# Altium PCB Evaluation Board.PcbDoc (part 19 of 22) (continued)
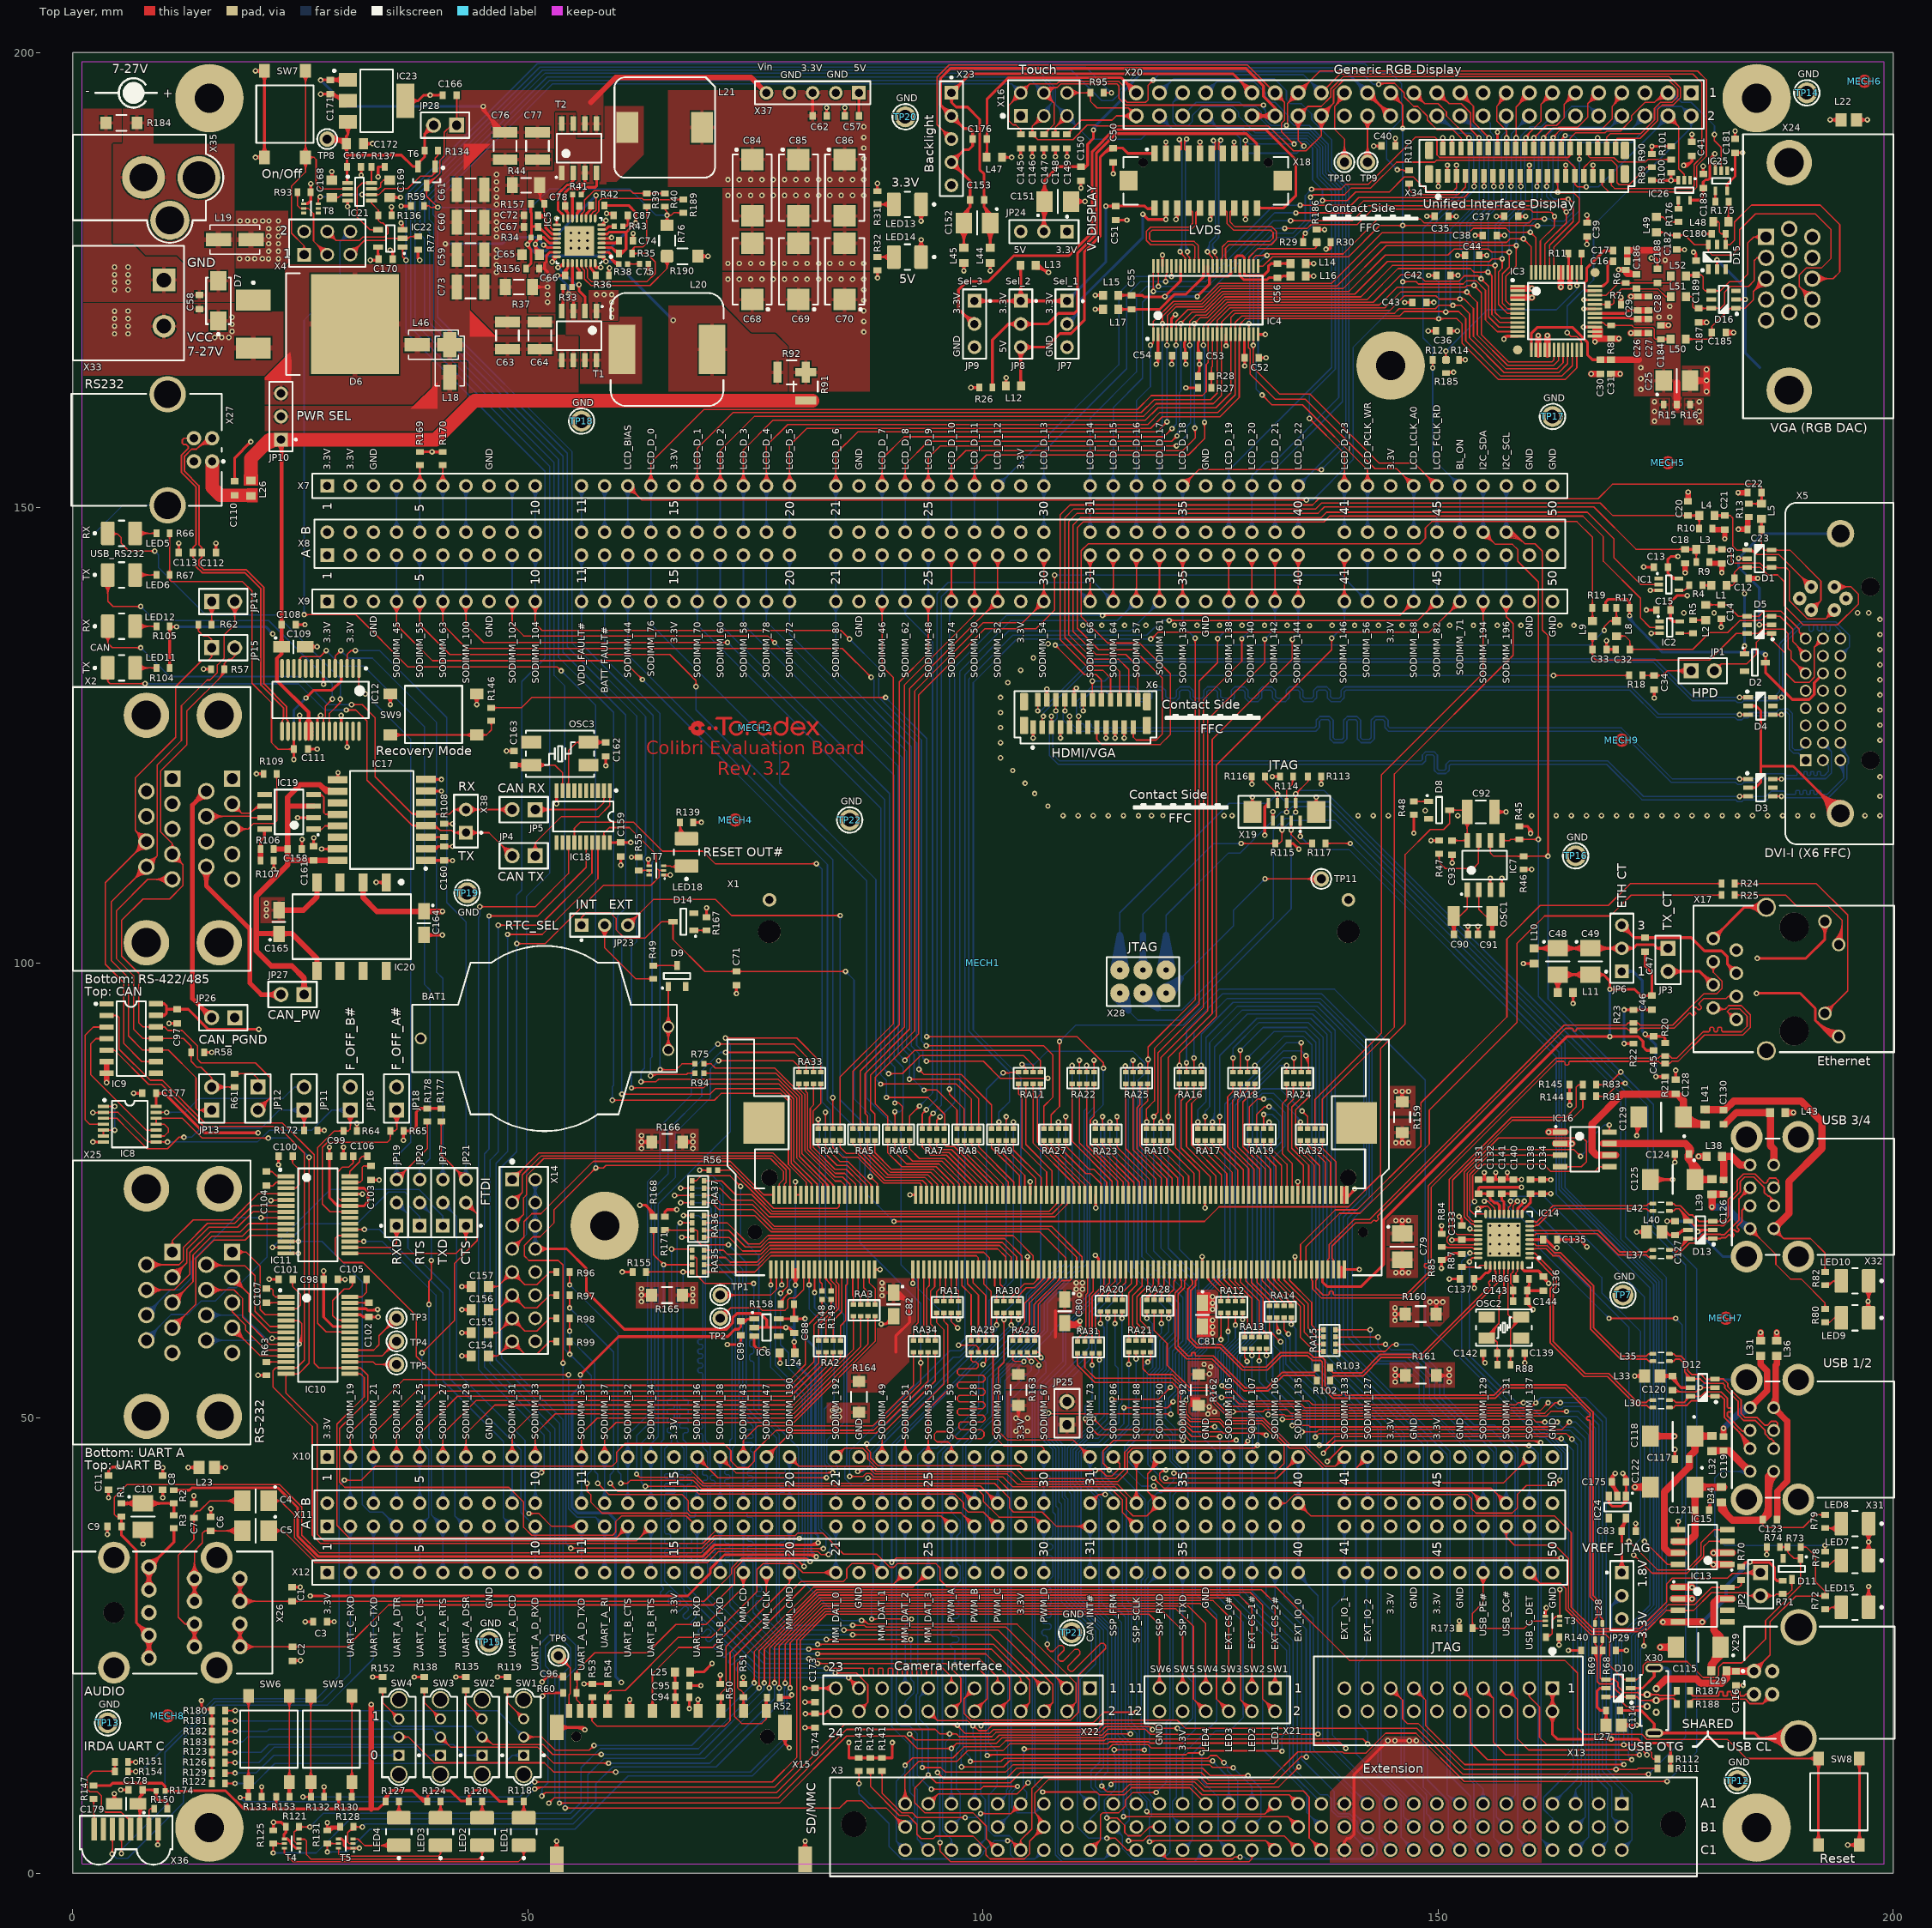
[diagram p0: Top Layer view]
## Nets (pads, with @x,y where several pads share a name; then routed paths per layer and width w, separated by ;. In a path a pad name is that pad's centre, name@x,y a point inside that pad or via, vN(x,y) a via of type N, cw(c..) or ccw(c..) an arc to the next point about the centre after c; other vN are vias at no path point) (continued)
TMDS_CLK_P: D4.1 X5.23 X6.2 | length 111.6
  Top Layer w0.152: v2(106.002,127.681) X6.2@106.002,128.891 ; v1@183.126,129.167 D4.1@184.07,129.167 ; v1@183.283,129.01 cw(c183.663,128.63) D4.1@183.663,129.167 ; v1@183.283,129.326 ccw(c183.668,129.711) D4.1@183.668,129.167
  Bottom Layer w0.152: v2(106.002,127.681) 106.359,127.681 112.083,133.406 173.797,133.406 178.03,129.173 v1@183.125,129.173 ; 182.571,129.173 cw(c182.571,128.614) v1@182.967,129.01 ; 182.598,129.173 ccw(c182.598,129.695) v1@182.967,129.326 ; v1(183.125,129.168) 186.867,129.167 187.503,129.803 187.503,135.054 189.914,137.465 193.677,137.465 195.2,135.942 195.2,134.728 X5.23@194.19,133.718 ; v1@183.283,129.01 cw(c183.663,128.63) 183.663,129.167 ; v1@183.283,129.326 ccw(c183.668,129.711) 183.668,129.167 ; X5.23@194.19,134.139 ccw(c194.19,135.156) 194.909,134.437 ccw(c195.629,133.718) X5.23@194.611,133.718 ; X5.23@194.19,134.291 ccw(c194.19,135.677) 195.17,134.697 ccw(c196.149,133.718) X5.23@194.764,133.718
TMDS_DATA0_N: D3.3 X5.17 X6.6 | length 113.8
  Top Layer w0.152: v2(108.002,127.681) X6.6@108.002,128.891 ; v1@183.126,118.295 D3.3@184.07,118.295 ; v1@183.283,118.137 cw(c183.663,117.758) D3.3@183.663,118.295 ; v1@183.283,118.454 ccw(c183.668,118.838) D3.3@183.668,118.295
  Bottom Layer w0.152: v2(108.002,127.681) 108.137,127.546 108.137,126.873 107.655,126.39 107.655,122.92 108.4,122.175 148.111,122.175 148.266,122.33 148.266,122.833 148.63,123.197 149.556,123.197 149.92,122.833 149.92,121.308 150.075,121.153 150.707,121.153 150.862,121.308 150.862,121.811 151.226,122.175 168.65,122.175 172.552,118.273 182.684,118.273 ; v1@182.935,118.413 cw(c182.684,118.568) 182.684,118.273 ; v1@182.956,118.149 ccw(c182.684,117.913) 182.684,118.273 ; v1@183.294,118.149 cw(c183.566,117.913) 183.566,118.273 ; v1@183.315,118.413 ccw(c183.566,118.568) 183.566,118.273 ; X5.17@193.833,121.808 cw(c192.633,120.296) 194.564,120.296 ; X5.17@193.928,121.927 cw(c192.884,120.611) 194.564,120.611 ; X5.17@194.023,122.047 cw(c193.134,120.927) 194.564,120.927 ; X5.17@194.118,122.166 cw(c193.384,121.242) 194.564,121.242 ; X5.17@194.19,122.258 194.564,121.884 194.564,120.332 192.732,118.5 192.134,118.5 192.056,118.578 192.056,118.868 191.977,118.947 191.742,118.947 191.663,118.868 191.663,118.578 191.585,118.5 191.35,118.5 191.271,118.578 191.271,118.868 191.193,118.947 190.957,118.947 190.879,118.868 190.879,118.578 190.8,118.5 190.565,118.5 190.486,118.578 190.486,118.868 190.408,118.947 190.172,118.947 190.094,118.868 190.094,118.578 190.015,118.5 189.78,118.5 189.701,118.578 189.701,118.868 189.623,118.947 189.388,118.947 189.309,118.868 189.309,118.578 189.231,118.5 188.917,118.5 188.524,118.5 188.328,118.5 187.955,118.873 186.608,118.873 186.008,118.273 183.566,118.273 ; X5.17@194.212,122.286 cw(c193.635,121.557) 194.564,121.557 ; 182.684,118.273 183.566,118.273
  other v1: 183.125,118.296
TMDS_DATA0_P: D3.4 X5.18 X6.5 | length 114.4
  Top Layer w0.152: X6.5@107.502,125.891 v2(107.502,127.102) ; D3.4@186.77,118.295 v1@187.714,118.295 ; D3.4@187.172,118.295 cw(c187.172,117.751) v1@187.557,118.135 ; D3.4@187.177,118.295 ccw(c187.177,118.832) v1@187.557,118.452
  Bottom Layer w0.152: v2(107.502,127.102) 107.502,126.74 107.299,126.538 107.299,122.773 108.253,121.819 148.258,121.819 148.622,122.183 148.622,122.686 148.777,122.842 149.409,122.842 149.564,122.686 149.564,121.161 149.928,120.797 150.854,120.797 151.218,121.161 151.218,121.664 151.373,121.819 168.503,121.819 172.404,117.918 182.684,117.918 182.885,117.716 183.365,117.716 183.566,117.918 186.156,117.918 186.55,118.312 v1@187.715,118.312 ; 187.13,118.312 cw(c187.13,117.709) v1@187.557,118.135 ; 187.219,118.312 ccw(c187.219,118.79) v1@187.557,118.452 ; v1@187.883,118.144 v1@187.715,118.312 ; v1@187.912,118.399 ccw(c188.058,118.477) 188.058,118.312 ; v1@187.926,118.219 cw(c188.058,118.172) 188.058,118.312 ; X5.18@194.011,124.225 ccw(c194.69,124.006) 194.185,123.501 ; X5.18@194.101,123.601 cw(c194.085,123.497) 194.19,123.497 ; X5.18@194.156,124.179 ccw(c194.956,123.92) 194.362,123.325 ; X5.18@194.19,124.168 194.19,123.497 ; X5.18@194.279,123.601 ccw(c194.295,123.497) 194.19,123.497 ; X5.18@194.301,124.132 ccw(c195.223,123.834) 194.538,123.149 ; X5.18@194.446,124.085 ccw(c195.489,123.748) 194.714,122.973 ; X5.18@194.591,124.038 ccw(c195.755,123.662) 194.89,122.797 ; X5.18@194.736,123.991 ccw(c196.021,123.576) 195.066,122.621 ; v1@187.715,118.312 188.058,118.312 ; 188.058,118.312 188.225,118.144 192.88,118.144 194.92,120.184 194.92,121.748 195.066,121.895 195.066,122.62 ; 194.19,123.497 195.066,122.62
  other v1: 187.715,118.294
TMDS_DATA1_N: D3.1 X5.9 X6.9 | length 107.5
  Top Layer w0.152: X6.9@109.502,125.891 v2(109.502,127.102) ; v1@183.126,120.195 D3.1@184.07,120.195 ; v1@183.283,120.037 cw(c183.663,119.658) D3.1@183.663,120.195 ; v1@183.283,120.354 ccw(c183.668,120.738) D3.1@183.668,120.195
  Bottom Layer w0.152: v2(109.502,127.102) 109.502,126.494 110.19,125.806 110.616,125.806 110.717,125.907 110.717,126.17 110.817,126.27 111.018,126.27 111.119,126.17 111.119,125.907 111.22,125.806 111.421,125.806 111.521,125.907 111.521,126.17 111.622,126.27 111.823,126.27 111.924,126.17 111.924,125.907 112.024,125.806 136.406,125.806 136.603,126.004 136.603,126.66 137.009,127.066 138.061,127.066 138.467,126.66 138.467,124.744 138.664,124.546 139.422,124.546 139.619,124.744 139.619,126.66 140.025,127.066 141.077,127.066 141.483,126.66 141.483,124.744 141.68,124.546 142.438,124.546 142.635,124.744 142.635,126.66 143.049,127.074 144.086,127.074 144.499,126.66 144.499,126.004 144.696,125.806 170.144,125.806 175.752,120.198 182.659,120.198 ; v1@182.949,120.057 ccw(c182.659,119.828) 182.659,120.198 ; v1@182.952,120.337 cw(c182.659,120.577) 182.659,120.198 ; v1@183.298,120.337 ccw(c183.591,120.577) 183.591,120.198 ; v1@183.301,120.057 cw(c183.591,119.828) 183.591,120.198 ; X5.9@192.28,122.258 192.862,121.675 192.862,121.006 192.449,120.593 192.11,120.593 192.036,120.667 192.036,120.941 191.961,121.016 191.738,121.016 191.664,120.941 191.664,120.667 191.589,120.593 191.366,120.593 191.291,120.667 191.291,120.941 191.217,121.016 190.993,121.016 190.919,120.941 190.919,120.667 190.844,120.593 190.621,120.593 190.546,120.667 190.546,120.941 190.472,121.016 190.248,121.016 190.174,120.941 190.174,120.667 190.099,120.593 189.876,120.593 189.802,120.667 189.802,120.941 189.727,121.016 189.504,121.016 189.429,120.941 189.429,120.667 189.355,120.593 189.243,120.593 188.135,120.593 187.955,120.773 185.775,120.773 185.2,120.198 183.591,120.198 ; 182.659,120.198 183.591,120.198
  other v1: 183.125,120.196
TMDS_DATA1_P: D3.6 X5.10 X6.8 | length 111.3
  Top Layer w0.152: v2(109.002,127.681) X6.8@109.002,128.891 ; D3.6@186.77,120.195 v1@187.714,120.195 ; D3.6@187.172,120.195 cw(c187.172,119.651) v1@187.557,120.035 ; D3.6@187.177,120.195 ccw(c187.177,120.732) v1@187.557,120.352
  Bottom Layer w0.152: v2(109.002,127.681) 108.814,127.493 108.814,126.679 110.042,125.451 112.024,125.451 136.553,125.451 136.959,125.856 136.959,126.513 137.156,126.711 137.914,126.711 138.111,126.513 138.111,124.596 138.517,124.191 139.569,124.191 139.975,124.596 139.975,126.513 140.172,126.711 140.93,126.711 141.127,126.513 141.127,124.596 141.533,124.191 142.585,124.191 142.991,124.596 142.991,126.513 143.196,126.718 143.938,126.718 144.143,126.513 144.143,125.856 144.549,125.451 169.997,125.451 175.604,119.843 182.659,119.843 182.885,119.616 183.365,119.616 183.591,119.843 185.347,119.843 185.742,120.237 192.597,120.237 193.218,120.858 193.218,123.23 ; 187.07,120.237 cw(c187.07,119.549) v1@187.557,120.035 ; 187.279,120.237 ccw(c187.279,120.629) v1@187.557,120.352 ; v1@187.873,120.035 cw(c188.36,119.549) 188.36,120.237 ; v1@187.873,120.352 ccw(c188.151,120.629) 188.151,120.237 ; X5.10@192.28,124.168 193.218,123.23 ; X5.10@192.293,123.746 cw(c192.322,122.832) 192.969,123.479 cw(c193.616,124.126) X5.10@192.701,124.154 ; X5.10@192.298,123.594 cw(c192.337,122.349) 193.218,123.23 ; X5.10@192.853,124.15 ccw(c194.099,124.111) 193.218,123.23
  other v1: 187.715,120.194
TMDS_DATA2_N: D4.4 X5.1 X6.12 | length 110.5
  Top Layer w0.152: v2(111.002,127.681) X6.12@111.002,128.891 ; D4.4@186.77,127.267 v1@187.714,127.267 ; D4.4@187.172,127.267 cw(c187.172,126.723) v1@187.557,127.108 ; D4.4@187.177,127.267 ccw(c187.177,127.804) v1@187.557,127.424
  Bottom Layer w0.152: v2(111.002,127.681) 110.631,128.053 110.631,128.553 112.047,129.969 112.609,129.969 112.696,129.883 112.696,129.677 112.782,129.591 113.042,129.591 113.128,129.677 113.128,129.883 113.215,129.969 113.474,129.969 113.561,129.883 113.561,129.677 113.647,129.591 113.907,129.591 113.993,129.677 113.993,129.883 114.08,129.969 116.504,129.969 116.702,129.772 116.702,129.115 117.13,128.687 118.137,128.687 118.565,129.115 118.565,129.772 118.763,129.969 119.52,129.969 119.718,129.772 119.718,129.115 120.123,128.709 121.176,128.709 121.581,129.115 121.581,129.772 121.779,129.969 122.536,129.969 122.734,129.772 122.734,129.115 123.139,128.709 124.192,128.709 124.597,129.115 124.597,129.772 124.795,129.969 125.552,129.969 125.75,129.772 125.75,129.115 126.155,128.709 127.208,128.709 127.613,129.115 127.613,129.772 127.811,129.969 128.568,129.969 128.766,129.772 128.766,129.115 129.171,128.709 130.224,128.709 130.629,129.115 130.629,129.772 130.827,129.969 131.584,129.969 131.782,129.772 131.782,129.115 132.187,128.709 133.24,128.709 133.645,129.115 133.645,129.772 133.843,129.969 134.6,129.969 134.798,129.772 134.798,129.115 135.203,128.709 136.256,128.709 136.661,129.115 136.661,129.772 136.859,129.969 137.616,129.969 137.814,129.772 137.814,129.115 138.219,128.709 139.272,128.709 139.677,129.115 139.677,129.772 139.875,129.969 171.053,129.969 174.054,126.968 182.606,126.968 182.675,126.898 182.885,126.688 183.365,126.688 183.575,126.898 184.006,126.898 184.25,127.143 187.592,127.143 v1(187.715,127.266) 187.773,127.266 188.063,127.556 ; 186.878,127.143 ccw(c186.878,128.103) v1@187.557,127.424 ; 187.246,127.143 ccw(c187.246,127.735) v1@187.665,127.316 ; v1@187.776,127.481 ccw(c187.856,127.764) 188.063,127.556 ; v1@187.939,127.266 cw(c188.339,127.266) 188.056,127.549 ; X5.1@189.805,122.358 ccw(c189.051,122.493) 189.593,123.035 ; X5.1@189.955,122.332 ccw(c189.402,122.431) 189.799,122.828 ccw(c190.197,123.226) X5.1@190.296,122.672 ; X5.1@190.269,122.822 cw(c190.134,123.576) 189.593,123.035 ; X5.1@190.37,122.258 189.593,123.035 ; 188.063,127.556 188.279,127.556 188.575,127.26 188.575,123.492 189.032,123.035 189.593,123.035
TMDS_DATA2_P: D4.3 X5.2 X6.11 | length 109.2
  Top Layer w0.152: X6.11@110.502,125.891 v2(110.502,127.102) ; v1@183.126,127.267 D4.3@184.07,127.267 ; v1@183.283,127.11 cw(c183.663,126.73) D4.3@183.663,127.267 ; v1@183.283,127.426 ccw(c183.668,127.811) D4.3@183.668,127.267
  Bottom Layer w0.152: v2(110.502,127.102) 110.275,127.329 110.275,128.053 110.275,128.7 111.9,130.325 114.08,130.325 116.652,130.325 117.057,129.919 117.057,129.262 117.278,129.042 117.989,129.042 118.21,129.262 118.21,129.919 118.615,130.325 119.668,130.325 120.073,129.919 120.073,129.262 120.271,129.065 121.028,129.065 121.226,129.262 121.226,129.919 121.631,130.325 122.684,130.325 123.089,129.919 123.089,129.262 123.287,129.065 124.044,129.065 124.242,129.262 124.242,129.919 124.647,130.325 125.7,130.325 126.105,129.919 126.105,129.262 126.303,129.065 127.06,129.065 127.258,129.262 127.258,129.919 127.663,130.325 128.716,130.325 129.121,129.919 129.121,129.262 129.319,129.065 130.076,129.065 130.274,129.262 130.274,129.919 130.679,130.325 131.732,130.325 132.137,129.919 132.137,129.262 132.335,129.065 133.092,129.065 133.29,129.262 133.29,129.919 133.695,130.325 134.748,130.325 135.153,129.919 135.153,129.262 135.351,129.065 136.108,129.065 136.306,129.262 136.306,129.919 136.711,130.325 137.764,130.325 138.169,129.919 138.169,129.262 138.367,129.065 139.124,129.065 139.322,129.262 139.322,129.919 139.727,130.325 171.2,130.325 174.202,127.323 182.606,127.323 ; 182.719,127.323 ccw(c182.719,127.674) v1@182.967,127.426 ; v1@182.938,127.144 ccw(c182.606,126.925) 182.606,127.323 ; v1@183.125,127.323 v1@183.069,127.323 ; v1@183.283,127.11 cw(c183.665,126.728) 183.665,127.268 cw(c183.665,127.808) v1@183.283,127.426 ; X5.2@189.876,123.876 cw(c189.531,123.673) 189.814,123.39 ; 189.953,123.529 ccw(c189.706,123.776) X5.2@190.007,123.954 ; X5.2@190.342,123.594 ccw(c190.308,122.896) 189.814,123.39 ; X5.2@190.37,124.168 190.37,123.946 189.814,123.39 ; 182.606,127.323 v1@183.069,127.323 ; v1@183.069,127.323 v1(183.125,127.268) 183.872,127.268 184.103,127.498 187.128,127.498 187.486,127.856 187.86,127.856 187.916,127.912 188.426,127.912 188.931,127.407 188.931,123.639 189.179,123.39 189.814,123.39
TOUCH_TSMX: C146.2 X1.16 X16.3 X20.34 X34.38 | length 349.3
  Top Layer w0.15: v1(60.312,85.589) 70.011,85.589 70.596,86.174 77.674,86.174 78.913,84.935 ; v1@60.471,85.429 cw(c60.855,85.045) 60.855,85.589 cw(c60.855,86.132) v1@60.471,85.748 ; 77.691,86.157 78.913,84.935 ; 78.913,79.08 78.913,84.935 ; X1.16@81.111,75.412 ccw(c80.941,75.583) 81.182,75.583 ccw(c81.423,75.583) X1.16@81.253,75.412 ; X1.16@81.182,74.516 81.182,75.714 78.913,77.983 78.913,84.935 ; C146.2@105.216,191.215 ccw(c104.746,191.685) 105.41,191.685 ccw(c106.074,191.685) C146.2@105.604,191.215 ; C146.2@105.485,190.746 cw(c105.485,190.263) 105.826,190.605 ; C146.2@105.61,191.017 ccw(c106.052,191.004) C146.2@105.739,190.692 ; 105.635,192.148 ccw(c104.743,193.04) X16.3@106.005,193.04 ; 105.639,192.151 cw(c106.532,191.258) X16.3@106.637,192.517 ; C146.2@105.76,191.013 ccw(c106.529,190.99) 105.985,190.446 ; 105.868,192.38 cw(c106.567,191.681) X16.3@106.649,192.666 ; 105.892,192.404 ccw(c105.255,193.04) X16.3@106.155,193.04 ; X16.3@106.624,192.367 ccw(c106.497,190.836) 105.41,191.922 ; X16.3@106.68,193.04 106.528,193.04 105.41,191.922 ; X20.34@136.63,192.51 cw(c135.349,191.229) 137.16,191.229 cw(c138.971,191.229) X20.34@137.69,192.51 ; X20.34@136.736,192.616 cw(c135.711,191.591) 137.16,191.591 cw(c138.609,191.591) X20.34@137.584,192.616 ; X20.34@136.842,192.722 cw(c136.074,191.954) 137.16,191.954 cw(c138.246,191.954) X20.34@137.478,192.722 ; X20.34@137.16,193.49 ccw(c137.16,194.392) 137.798,193.754 ; X20.34@137.16,193.64 ccw(c137.16,194.905) 138.054,194.01 ; X20.34@137.16,193.79 ccw(c137.16,195.417) 138.31,194.266 ; X20.34@137.46,193.04 cw(c138.368,193.04) 137.726,193.682 ; X20.34@137.61,193.04 cw(c138.88,193.04) 137.982,193.938 ; X20.34@137.76,193.04 cw(c139.392,193.04) 138.238,194.194 ; X20.34@137.91,193.04 cw(c139.905,193.04) 138.494,194.45 ; X34.38@168.357,190.069 ccw(c167.973,190.453) 168.516,190.453 ccw(c169.059,190.453) X34.38@168.675,190.069 ; X34.38@168.516,189.46 168.516,190.69 168.91,191.084 172.249,191.084 173.77,192.605 173.77,193.869 174.431,194.53 175.695,194.53 176.31,195.145 176.31,196.015 175.28,197.045 139.68,197.045 138.51,195.875 138.51,194.466 137.16,193.116 X20.34@137.16,193.04 137.16,190.893 135.467,189.2 134.1,189.2 131.375,191.925 112.442,191.925 112.342,192.025 111.449,192.025 109.87,190.446 105.985,190.446 C146.2@105.41,191.021 105.41,191.922
  Bottom Layer w0.15: v1@60.153,85.748 ccw(c59.769,86.132) 60.312,86.132 ccw(c60.855,86.132) v1@60.471,85.748 ; v1(60.312,85.589) 60.312,103.005 59.838,103.48 59.838,105.126 60.731,106.02 60.731,127.244 53.848,134.127 53.848,155.652 39.2,170.3 39.2,180.225 38.65,180.775 38.65,183.875 52.1,197.325 106.314,197.325 107.655,195.984 107.655,194.605 ; X16.3@106.68,193.04 106.68,193.63 107.655,194.605 ; X16.3@106.751,193.063 cw(c107.549,193.316) 106.957,193.907 ; X16.3@106.894,193.108 cw(c107.814,193.4) 107.132,194.082 ; X16.3@107.037,193.153 cw(c108.078,193.484) 107.306,194.256 ; X16.3@107.18,193.199 cw(c108.343,193.568) 107.481,194.431 ; X16.3@107.323,193.244 cw(c108.608,193.652) 107.655,194.605
TOUCH_TSMY: C145.2 X1.20 X16.2 X20.33 X34.39 | length 343.5
  Top Layer w0.15: v1(62.414,86.931) 64.056,86.931 64.349,87.224 77.473,87.224 79.513,85.183 79.513,78.577 82.382,75.708 X1.20@82.382,74.516 ; v1@62.573,86.772 cw(c62.957,86.388) 62.957,86.931 cw(c62.957,87.474) v1@62.573,87.09 ; X1.20@82.311,75.412 ccw(c82.141,75.583) 82.382,75.583 ccw(c82.623,75.583) X1.20@82.453,75.412 ; 102.934,194.298 ccw(c101.651,195.58) X16.2@103.465,195.58 ; 103.118,194.482 cw(c104.14,193.459) X16.2@104.14,194.905 ; 103.19,194.554 ccw(c102.164,195.58) X16.2@103.615,195.58 ; 103.374,194.738 cw(c104.14,193.971) X16.2@104.14,195.055 ; 103.446,194.81 ccw(c102.676,195.58) X16.2@103.765,195.58 ; 103.63,194.994 cw(c104.14,194.484) X16.2@104.14,195.205 ; C145.2@103.995,191.255 ccw(c103.832,191.516) 104.14,191.516 ; C145.2@104.14,191.021 104.14,191.516 ; X16.2@104.187,195.952 ccw(c104.261,196.542) 104.682,196.122 ccw(c105.102,195.701) X16.2@104.512,195.627 ; X16.2@104.206,196.101 ccw(c104.309,196.927) 104.898,196.338 ccw(c105.487,195.749) X16.2@104.661,195.646 ; X16.2@104.224,196.25 ccw(c104.358,197.312) 105.115,196.555 ; C145.2@104.285,191.255 cw(c104.448,191.516) 104.14,191.516 ; X16.2@104.81,195.664 cw(c105.872,195.798) 105.115,196.555 ; v1@118.475,196.975 cw(c117.932,196.975) 118.316,196.591 cw(c118.7,196.207) v1@118.7,196.75 ; v1(118.7,196.975) 118.125,196.4 118.125,194.8 117.855,194.53 115.82,194.53 115.4,194.95 115.4,196.35 114.895,196.855 108.418,196.855 108.118,196.555 105.115,196.555 ; X20.33@137.16,195.58 139.225,197.645 177.996,197.645 178.958,196.683 178.958,188.532 178.125,187.699 178.125,185.375 177.825,185.075 169.375,185.075 169.016,185.434 X34.39@169.016,186.46 ; X34.39@168.857,185.851 cw(c168.473,185.467) 169.016,185.467 cw(c169.559,185.467) X34.39@169.175,185.851 ; 104.14,191.516 103.591,192.065 103.297,192.065 102.794,192.568 102.794,194.158 104.14,195.504 X16.2@104.14,195.58 105.115,196.555
  Bottom Layer w0.15: v1@62.255,87.09 ccw(c61.871,87.474) 62.414,87.474 ccw(c62.957,87.474) v1@62.573,87.09 ; v1(62.414,86.931) 62.414,88.065 62.8,88.451 62.8,111.058 62.7,111.158 62.7,111.592 62.916,111.808 62.916,127.059 54.85,135.125 54.85,156.15 40.075,170.925 40.075,181.69 39.556,182.209 39.556,183.407 52.724,196.575 103.145,196.575 ; X16.2@103.469,195.654 ccw(c102.347,195.777) 103.145,196.575 ; X16.2@103.618,195.637 ccw(c102.745,195.733) 103.366,196.354 ccw(c103.987,196.975) X16.2@104.083,196.102 ; X16.2@103.767,195.621 ccw(c103.144,195.689) 103.587,196.133 ccw(c104.031,196.576) X16.2@104.099,195.953 ; X16.2@104.066,196.251 cw(c103.943,197.373) 103.145,196.575 ; X16.2@104.14,195.58 103.145,196.575 ; v1(118.7,196.975) 119.3,197.575 135.2,197.575 X20.33@137.178,195.598 ; v1@118.7,197.2 ccw(c118.7,197.743) 119.084,197.359 ccw(c119.468,196.975) v1@118.925,196.975 ; 135.855,196.92 cw(c134.515,195.58) X20.33@136.41,195.58 ; 135.939,196.836 ccw(c137.16,198.056) X20.33@137.16,196.33 ; 136.111,196.664 cw(c135.027,195.58) X20.33@136.56,195.58 ; 136.195,196.58 ccw(c137.16,197.544) X20.33@137.16,196.18 ; 136.367,196.408 cw(c135.539,195.58) X20.33@136.71,195.58 ; 136.452,196.323 ccw(c137.16,197.032) X20.33@137.16,196.03
TOUCH_TSPX: C148.2 X1.14 X16.5 X20.36 X34.40 | length 345.5
  Top Layer w0.15: v1(59.261,84.917) 70.48,84.917 71.211,85.649 77.775,85.649 78.613,84.811 78.613,77.859 80.582,75.89 X1.14@80.582,74.516 ; v1@59.42,84.758 cw(c59.804,84.374) 59.804,84.917 cw(c59.804,85.46) v1@59.42,85.076 ; X1.14@80.511,75.412 ccw(c80.341,75.583) 80.582,75.583 ccw(c80.823,75.583) X1.14@80.653,75.412 ; C148.2@107.756,191.215 ccw(c107.286,191.685) 107.95,191.685 ccw(c108.614,191.685) C148.2@108.144,191.215 ; C148.2@107.95,191.021 107.95,191.821 109.169,193.04 X16.5@109.22,193.04 ; 107.981,191.852 cw(c109.22,190.613) X16.5@109.22,192.365 ; 108.104,191.974 ccw(c107.038,193.04) X16.5@108.545,193.04 ; 108.237,192.108 cw(c109.22,191.125) X16.5@109.22,192.515 ; 108.36,192.23 ccw(c107.55,193.04) X16.5@108.695,193.04 ; 108.493,192.364 cw(c109.22,191.637) X16.5@109.22,192.665 ; 108.616,192.487 ccw(c108.062,193.04) X16.5@108.845,193.04 ; X20.36@134.09,192.51 cw(c132.809,191.229) 134.62,191.229 cw(c136.431,191.229) X20.36@135.15,192.51 ; X20.36@134.196,192.616 cw(c133.171,191.591) 134.62,191.591 cw(c136.069,191.591) X20.36@135.044,192.616 ; X20.36@134.302,192.722 cw(c133.534,191.954) 134.62,191.954 cw(c135.706,191.954) X20.36@134.938,192.722 ; X20.36@134.687,193.485 ccw(c134.785,194.134) 135.25,193.67 ccw(c135.714,193.205) X20.36@135.065,193.107 ; X20.36@134.71,193.633 ccw(c134.841,194.499) 135.46,193.88 ccw(c136.079,193.261) X20.36@135.213,193.13 ; X20.36@134.732,193.782 ccw(c134.896,194.864) 135.67,194.09 ; v1@135.025,189.725 ccw(c134.482,189.725) 134.866,190.109 ccw(c135.25,190.493) v1@135.25,189.95 ; v1(135.25,189.725) 134.62,190.355 X20.36@134.62,193.04 135.67,194.09 ; X20.36@135.362,193.152 cw(c136.444,193.316) 135.67,194.09 ; X34.40@169.371,190.082 ccw(c169.106,190.395) 169.516,190.395 ; X34.40@169.516,189.46 169.516,190.395 ; X34.40@169.661,190.082 cw(c169.926,190.395) 169.516,190.395 ; 135.67,194.09 137.155,194.09 138.21,195.145 138.21,195.999 139.556,197.345 175.404,197.345 176.61,196.139 176.61,195.021 175.819,194.23 174.605,194.23 174.125,193.75 174.125,192.526 172.175,190.576 169.697,190.576 169.516,190.395
  Bottom Layer w0.15: v1@59.102,85.076 ccw(c58.718,85.46) 59.261,85.46 ccw(c59.804,85.46) v1@59.42,85.076 ; v1(59.261,84.917) 59.261,86.396 59.395,86.53 59.395,127.53 53.35,133.575 53.35,155.325 38.638,170.037 38.638,179.546 38.125,180.059 38.125,184 51.85,197.725 106.338,197.725 107.955,196.108 107.955,194.305 X16.5@109.22,193.04 109.22,192.93 111.7,190.45 111.725,190.475 117.35,190.475 118,191.125 127.7,191.125 128.25,190.575 128.25,189.5 128.8,188.95 134.475,188.95 v1(135.25,189.725) ; X16.5@108.545,193.04 ccw(c106.915,193.04) 108.068,194.192 ccw(c109.22,195.345) X16.5@109.22,193.715 ; X16.5@108.695,193.04 ccw(c107.428,193.04) 108.324,193.936 ccw(c109.22,194.832) X16.5@109.22,193.565 ; X16.5@108.845,193.04 ccw(c107.94,193.04) 108.58,193.68 ccw(c109.22,194.32) X16.5@109.22,193.415 ; X16.5@109.22,192.365 cw(c109.22,191.001) 110.185,191.965 ; X16.5@109.22,192.515 cw(c109.22,191.513) 109.928,192.222 ; X16.5@109.595,193.04 ccw(c110.766,193.04) 109.938,192.212 ; X16.5@109.745,193.04 ccw(c111.278,193.04) 110.194,191.956 ; X16.5@109.895,193.04 ccw(c111.79,193.04) 110.45,191.7 ; v1@135.025,189.725 cw(c134.482,189.725) 134.866,189.341 cw(c135.25,188.957) v1@135.25,189.5
TOUCH_TSPY: C147.2 X1.18 X16.4 X20.35 X34.37 | length 361
  Top Layer w0.15: v1(61.363,86.26) 69.288,86.26 69.727,86.699 77.573,86.699 79.213,85.059 79.213,78.242 81.782,75.673 X1.18@81.782,74.516 ; v1@61.522,86.101 cw(c61.906,85.717) 61.906,86.26 cw(c61.906,86.803) v1@61.522,86.419 ; X1.18@81.711,75.412 ccw(c81.541,75.583) 81.782,75.583 ccw(c82.023,75.583) X1.18@81.853,75.412 ; X16.4@106.606,195.592 cw(c107.267,195.488) 107.267,196.157 ; C147.2@106.68,191.021 107.823,192.164 107.823,194.437 ; X16.4@106.683,195.055 cw(c106.69,193.812) 107.569,194.691 cw(c108.448,195.57) X16.4@107.205,195.577 ; X16.4@106.682,195.205 cw(c106.687,194.317) 107.315,194.945 cw(c107.943,195.573) X16.4@107.055,195.578 ; X16.4@106.684,194.905 cw(c106.693,193.307) 107.823,194.437 ; X16.4@106.754,195.568 cw(c107.442,195.46) 107.442,196.157 ; C147.2@106.755,191.296 ccw(c106.755,191.779) 107.096,191.437 ; C147.2@106.88,191.021 cw(c107.363,191.021) C147.2@107.021,191.362 ; X16.4@106.902,195.545 cw(c107.618,195.432) 107.618,196.157 ; C147.2@107.03,191.021 cw(c107.875,191.021) 107.277,191.618 ; X16.4@107.05,195.522 cw(c107.793,195.405) 107.793,196.157 ; X16.4@107.059,196.138 ccw(c107.147,196.267) 107.257,196.157 ; X16.4@107.199,195.498 cw(c107.969,195.377) 107.969,196.157 ; X16.4@107.238,195.959 cw(c107.367,196.047) 107.257,196.157 ; X16.4@107.347,195.475 cw(c108.144,195.35) 108.144,196.157 ; X16.4@107.355,195.576 ccw(c108.953,195.567) 107.823,194.437 ; v2@130.651,194.066 ccw(c130.267,193.682) 130.267,194.225 ccw(c130.267,194.768) v2@130.651,194.384 ; v2(130.81,194.225) 115.675,194.225 114.925,194.975 114.925,196.335 114.705,196.555 108.542,196.555 108.144,196.157 ; v2(133.325,192) 133.43,192.105 133.43,194.39 ; X20.35@133.871,195.54 cw(c132.36,195.46) 133.43,194.39 ; X20.35@134.021,195.548 cw(c132.812,195.484) 133.668,194.628 cw(c134.524,193.772) X20.35@134.588,194.981 ; X20.35@134.171,195.556 cw(c133.264,195.508) 133.906,194.866 cw(c134.548,194.224) X20.35@134.596,195.131 ; X20.35@134.58,194.831 ccw(c134.5,193.32) 133.43,194.39 ; X20.35@134.62,196.03 ccw(c134.62,197.116) 135.388,196.348 ccw(c136.156,195.58) X20.35@135.07,195.58 ; X20.35@134.62,196.18 ccw(c134.62,197.629) 135.644,196.604 ccw(c136.669,195.58) X20.35@135.22,195.58 ; X20.35@134.62,196.33 ccw(c134.62,198.141) 135.9,196.86 ccw(c137.181,195.58) X20.35@135.37,195.58 ; X34.37@167.857,185.851 cw(c167.473,185.467) 168.016,185.467 cw(c168.559,185.467) X34.37@168.175,185.851 ; X34.37@168.016,186.46 168.016,185.425 168.741,184.7 177.9,184.7 178.425,185.225 178.425,187.575 179.47,188.62 179.47,197.009 178.511,197.968 137.008,197.968 X20.35@134.62,195.58 133.43,194.39 ; 107.257,196.157 X16.4@106.68,195.58 107.823,194.437 ; 107.257,196.157 108.144,196.157
  Bottom Layer w0.15: v1@61.204,86.419 ccw(c60.82,86.803) 61.363,86.803 ccw(c61.906,86.803) v1@61.522,86.419 ; v1(61.363,86.26) 61.363,101.751 61.935,102.324 61.935,127.115 54.325,134.725 54.325,155.975 39.675,170.625 39.675,181.134 39.125,181.684 39.125,183.7 52.35,196.925 105.335,196.925 X16.4@106.68,195.58 ; X16.4@106.005,195.58 ccw(c104.375,195.58) 105.528,196.732 ccw(c106.68,197.885) X16.4@106.68,196.255 ; X16.4@106.155,195.58 ccw(c104.888,195.58) 105.784,196.476 ccw(c106.68,197.372) X16.4@106.68,196.105 ; X16.4@106.305,195.58 ccw(c105.4,195.58) 106.04,196.22 ccw(c106.68,196.86) X16.4@106.68,195.955 ; v2@130.705,194.026 cw(c130.615,193.853) 130.81,193.853 ; v2@130.75,194.27 ccw(c130.988,194.094) 130.779,193.884 ; v2(130.81,194.225) 130.81,193.853 ; v2@130.87,194.18 ccw(c131.13,193.989) 130.902,193.761 ; v2@130.915,194.026 ccw(c131.005,193.853) 130.81,193.853 ; v2@130.991,194.091 ccw(c131.272,193.884) 131.025,193.638 ; 132.758,191.99 ccw(c132.758,192.567) v2@133.166,192.159 ; 132.806,191.99 cw(c132.806,191.481) v2@133.166,191.841 ; v2(133.325,192) 133.315,191.99 131.645,191.99 131.355,192.28 131.025,192.61 131.025,193.638 ; 130.81,193.853 131.025,193.638
TOUCH_WIPER: C149.2 R95.2 X16.6 X20.50 | length 36.6
  Top Layer w0.15: C149.2@109.22,191.021 110.774,192.575 114.175,192.575 114.65,193.05 X20.50@116.83,193.05 ; X16.6@109.22,195.58 110.897,195.58 110.9,195.577 ; C149.2@109.295,191.296 ccw(c109.295,191.779) 109.636,191.437 ; C149.2@109.42,191.021 cw(c109.903,191.021) C149.2@109.561,191.362 ; X16.6@109.485,195.315 cw(c110.125,194.675) 110.125,195.58 cw(c110.125,196.485) X16.6@109.485,195.845 ; C149.2@109.57,191.021 cw(c110.415,191.021) 109.817,191.618 ; X16.6@109.591,195.209 cw(c110.487,194.313) 110.487,195.58 cw(c110.487,196.847) X16.6@109.591,195.951 ; X16.6@109.697,195.103 cw(c110.85,193.95) 110.85,195.58 cw(c110.85,197.21) X16.6@109.697,196.057 ; 110.9,195.575 110.9,195.577 ; R95.2@111.62,195.303 cw(c111.186,194.869) 111.8,194.869 ; R95.2@111.62,195.403 ccw(c111.193,194.976) 111.193,195.58 ccw(c111.193,196.184) R95.2@111.62,195.757 ; 111.8,194.884 cw(c112.393,194.884) R95.2@111.974,195.303 ; R95.2@112.014,195.543 111.977,195.58 R95.2@111.797,195.58 ; 115.005,193.05 cw(c115.005,191.205) X20.50@116.31,192.51 ; 115.053,193.05 ccw(c115.053,194.827) X20.50@116.31,193.57 ; 115.367,193.05 cw(c115.367,191.567) X20.50@116.416,192.616 ; 115.416,193.05 ccw(c115.416,194.464) X20.50@116.416,193.464 ; 115.729,193.05 cw(c115.729,191.929) X20.50@116.522,192.722 ; 115.778,193.05 ccw(c115.778,194.102) X20.50@116.522,193.358 ; X20.50@116.122,193.258 ccw(c115.482,193.452) 115.955,193.925 ; X20.50@116.266,193.214 ccw(c115.753,193.369) 116.132,193.748 ccw(c116.511,194.127) X20.50@116.666,193.614 ; X20.50@116.622,193.758 cw(c116.428,194.398) 115.955,193.925 ; X20.50@116.84,193.04 X20.50@116.83,193.05 ; 110.9,195.577 110.903,195.58 R95.2@111.797,195.58 ; R95.2@111.797,195.58 111.8,195.577 111.8,194.65 112.525,193.925 115.955,193.925 ; 115.955,193.925 X20.50@116.83,193.05
UART_A_CTS: IC11.15 JP21.1 | length 21.7
  Top Layer w0.15: IC11.15@30.419,68.095 42.085,68.095 43.18,69.19 JP21.1@43.18,71.12 ; IC11.15@31.225,67.989 cw(c31.481,67.733) 31.481,68.095 cw(c31.481,68.457) IC11.15@31.225,68.201 ; JP21.1@42.703,70.643 cw(c41.55,69.49) 43.18,69.49 cw(c44.81,69.49) JP21.1@43.657,70.643 ; JP21.1@42.809,70.749 cw(c41.913,69.853) 43.18,69.853 cw(c44.447,69.853) JP21.1@43.551,70.749 ; JP21.1@42.915,70.855 cw(c42.275,70.215) 43.18,70.215 cw(c44.085,70.215) JP21.1@43.445,70.855